# Altium PCB MODULE_2x1G_DUAL_MEDIA_V1.0.PcbDoc (part 1 of 3) (continued)
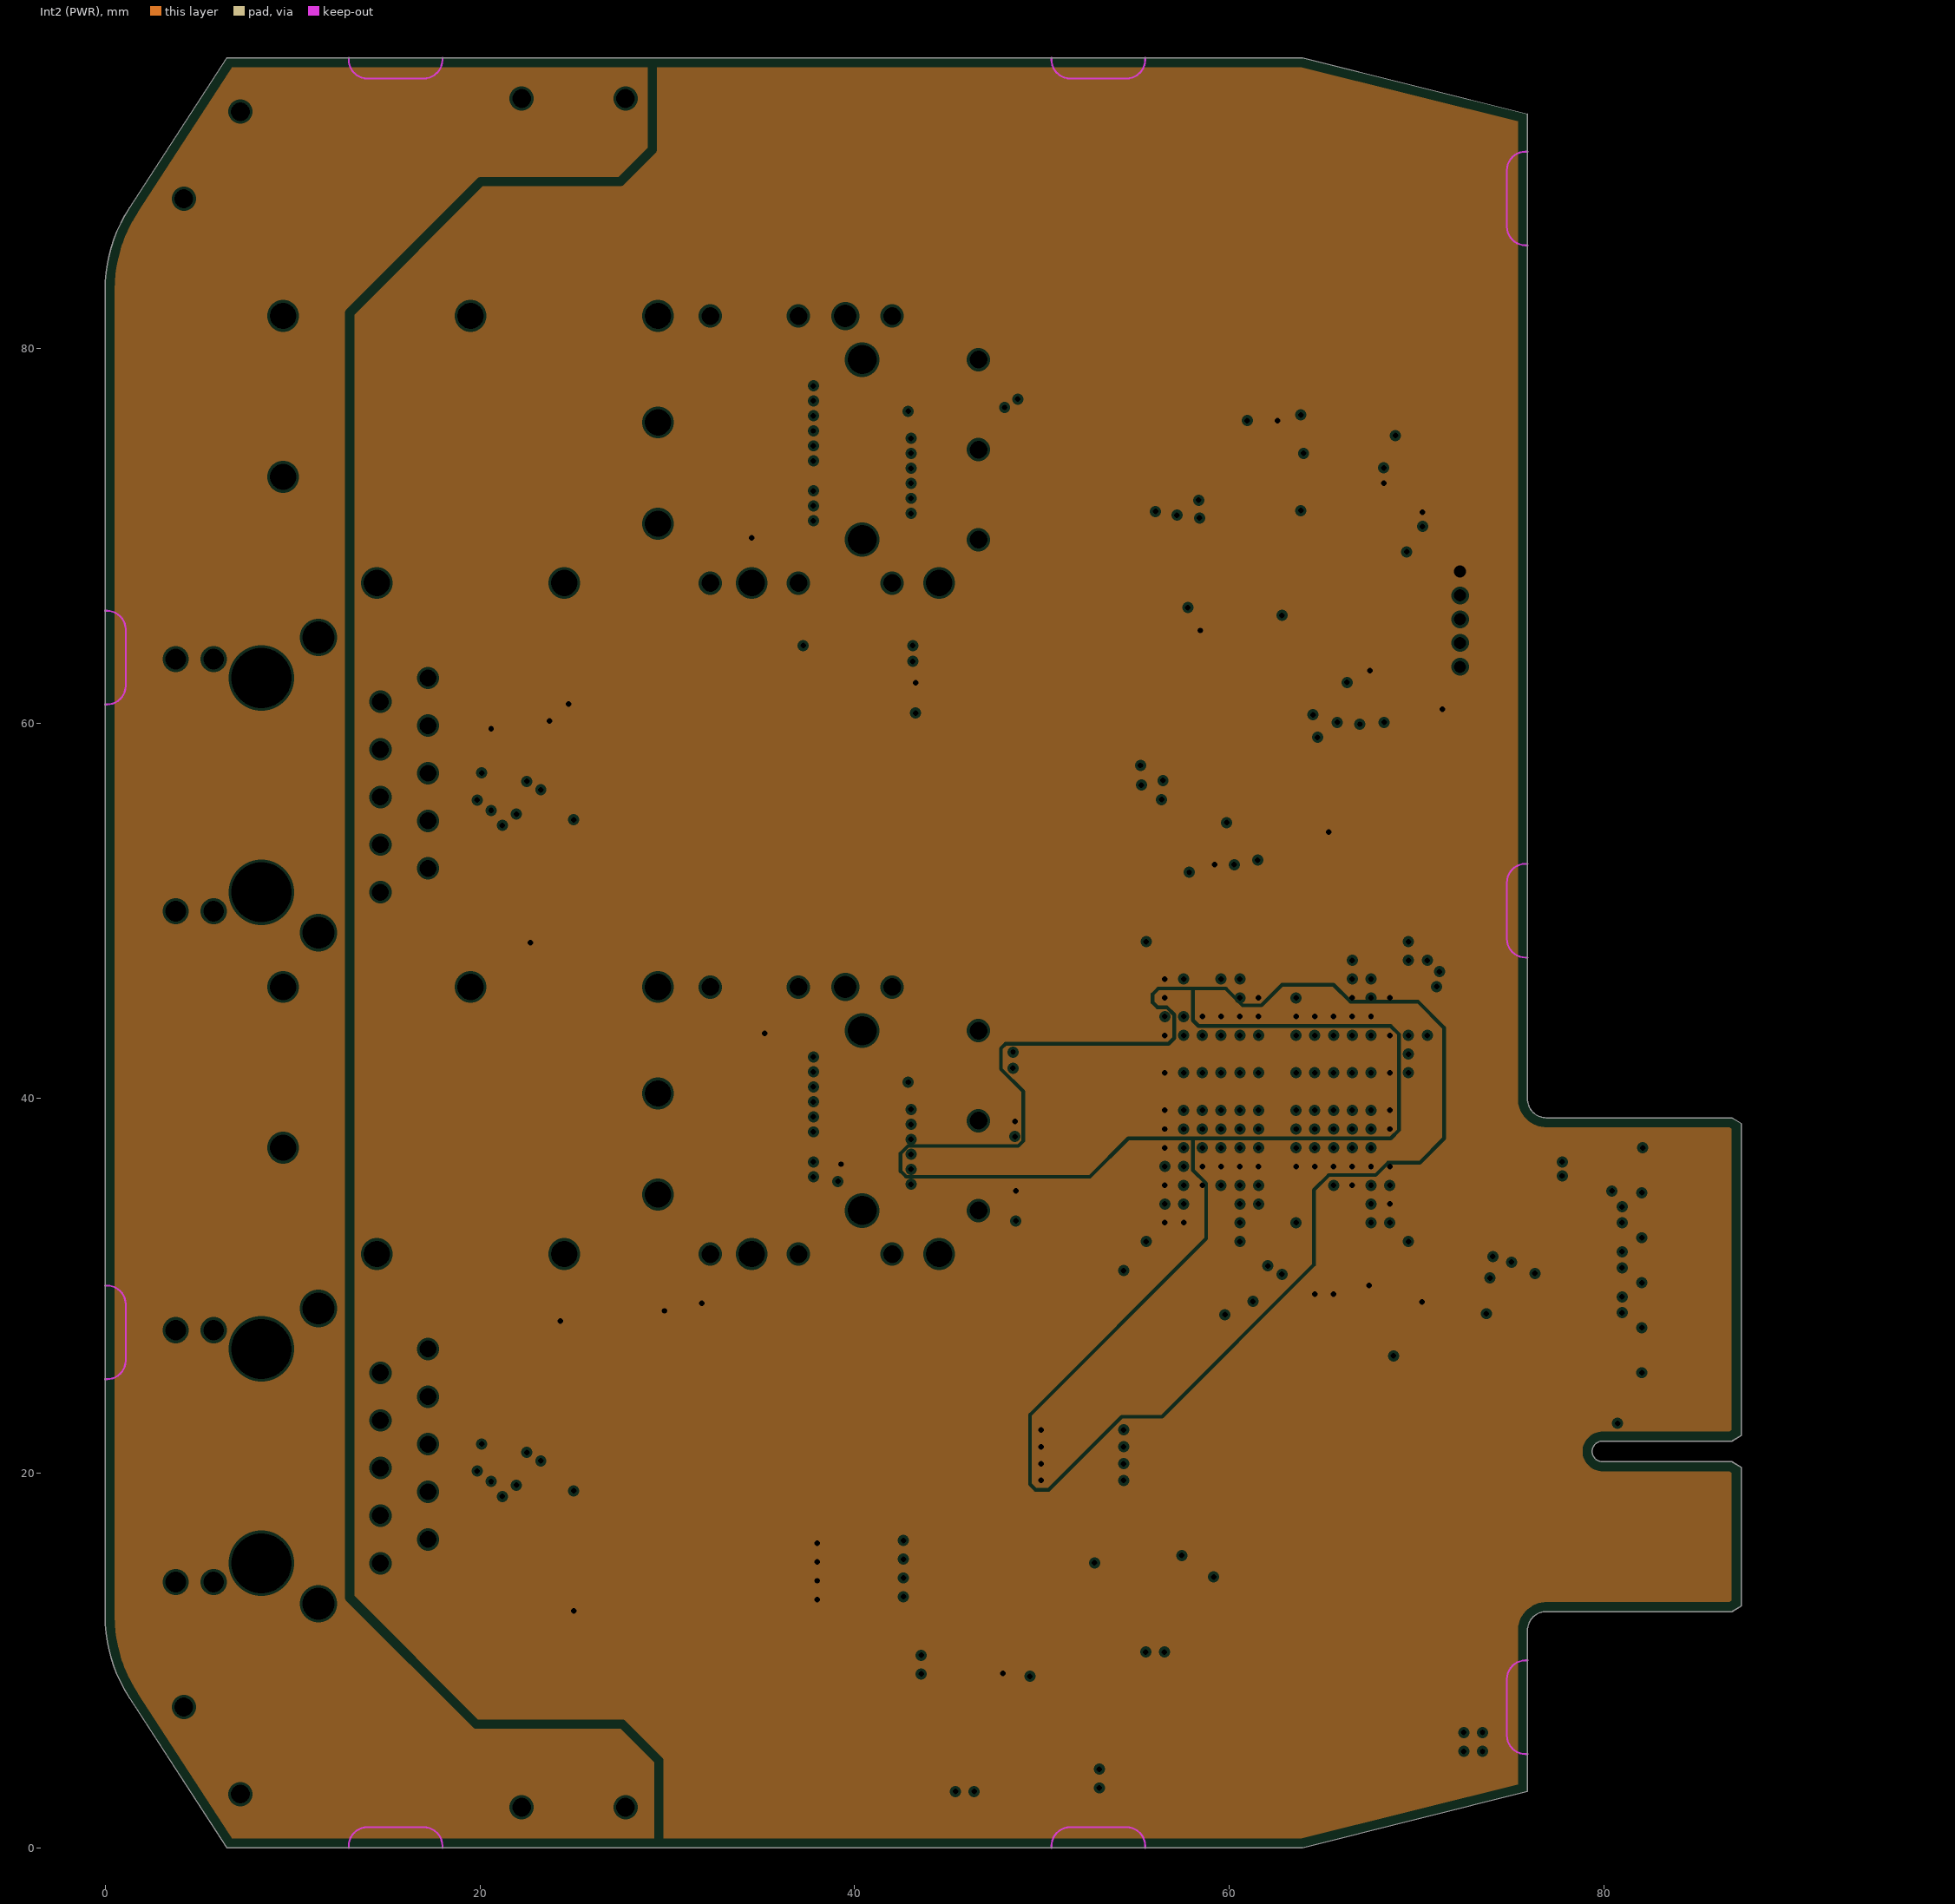
[diagram p3: Int2 (PWR), clearances drawn from the general rule]
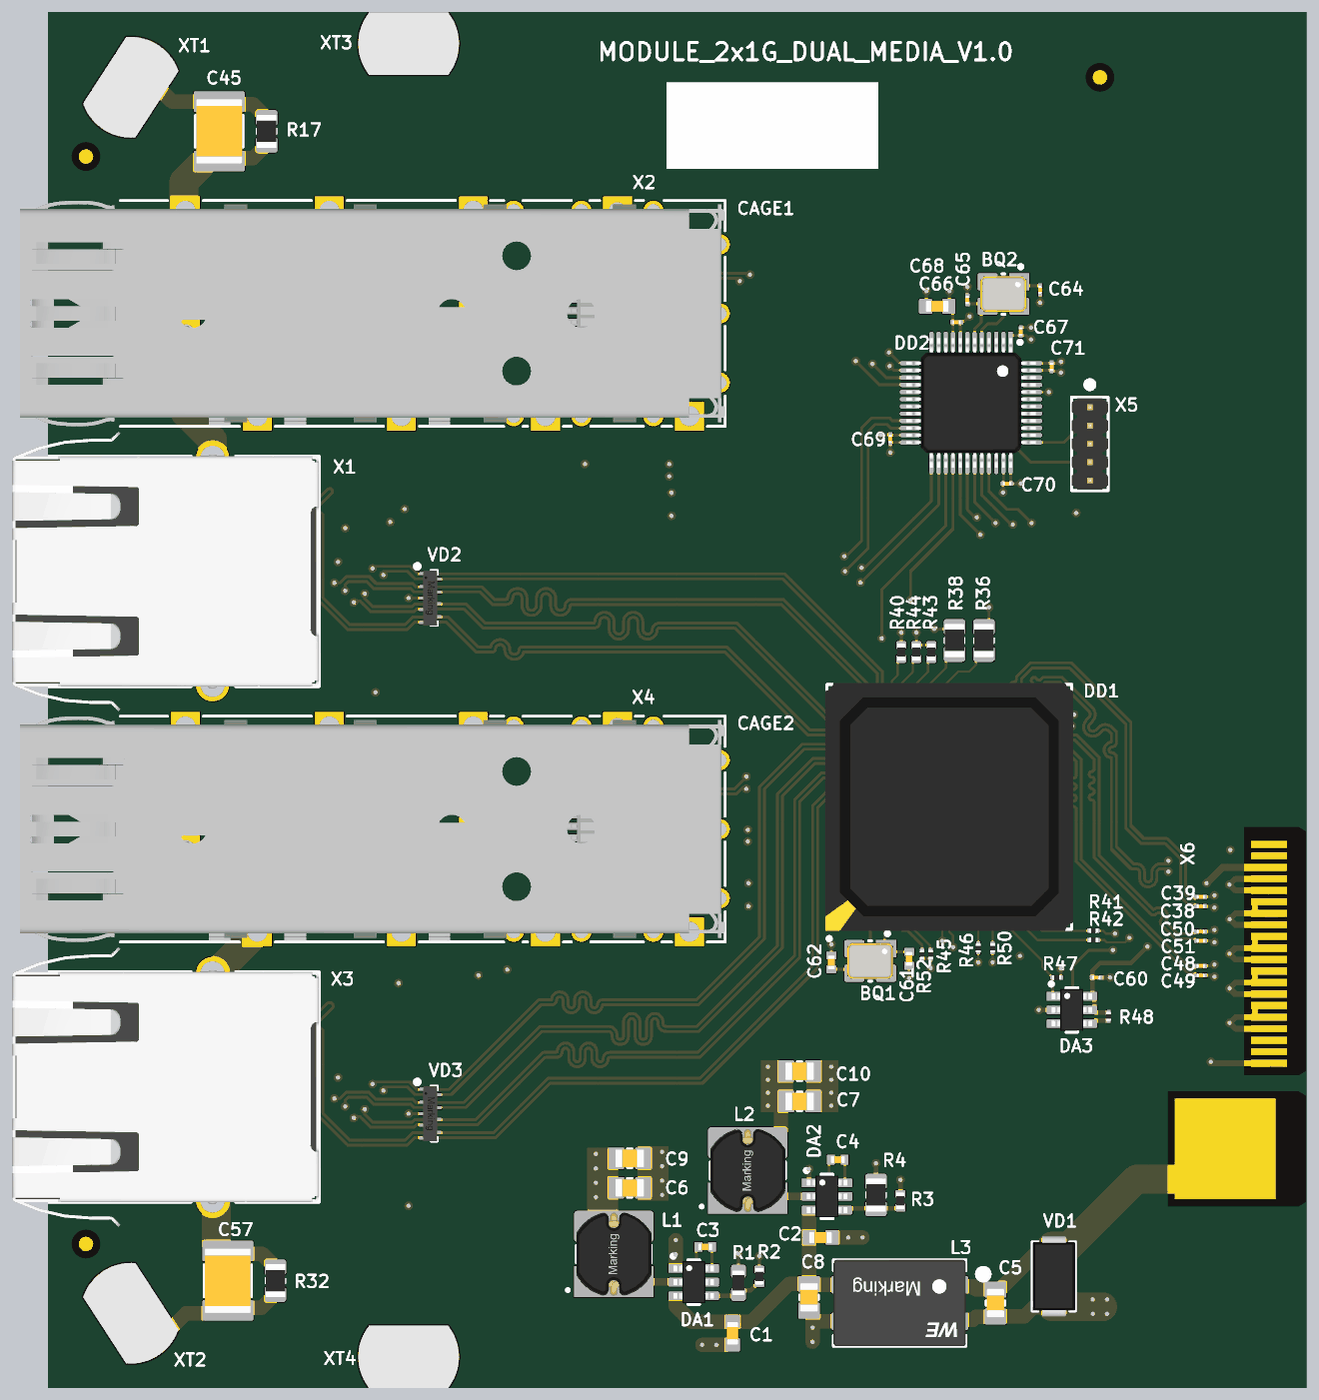
[diagram p6: 3D render of the assembled board from above, using the file's embedded part models]
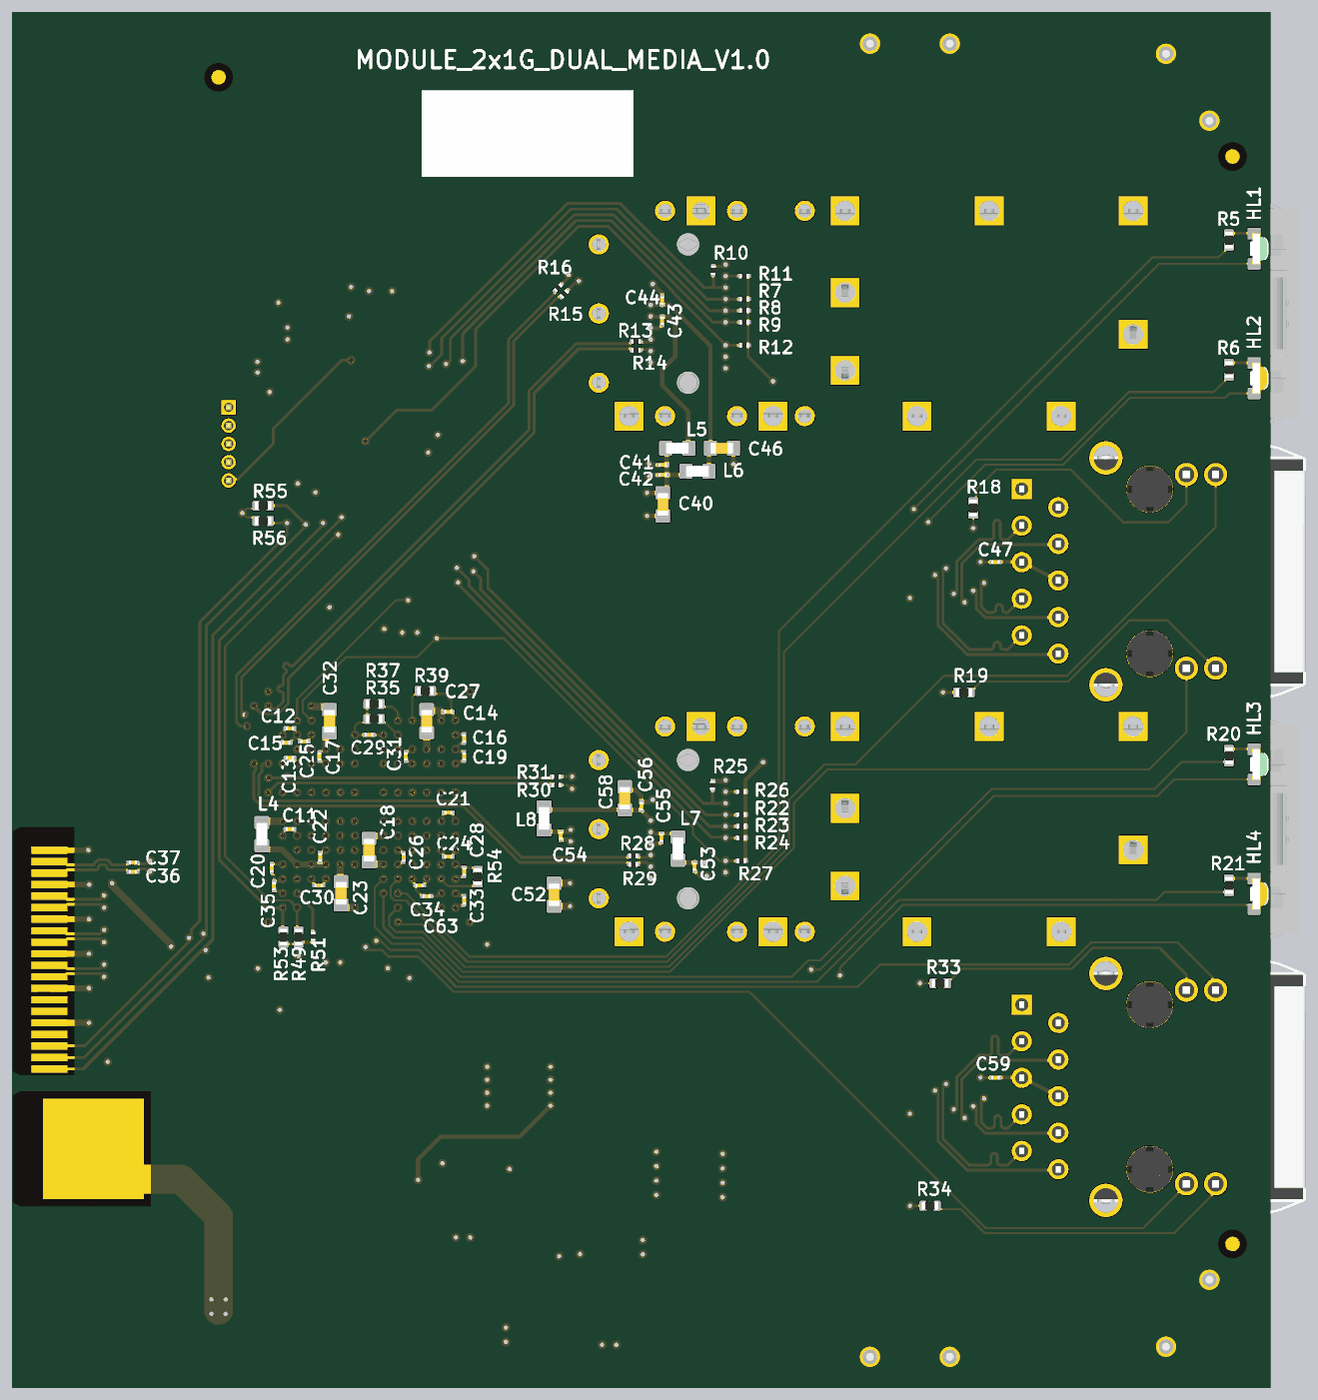
[diagram p7: 3D render of the assembled board from below, using the file's embedded part models]

## Layer stack, top to bottom
Top Solder: solder mask 0.0254, SM-001, Dk 4
Top Layer: signal copper 0.035
Dielectric 1: prepreg 0.1295, PP-017, Dk 4.3
Dielectric 2: prepreg 0.1295, PP-017, Dk 4.3
Int1 (GND): plane copper 0.035, net GND
Dielectric 3: core 0.7112, Core-039, Dk 4.8
Int2 (PWR): plane copper 0.035, net +3V3
Dielectric 4: prepreg 0.1295, PP-017, Dk 4.3
Dielectric 5: prepreg 0.1295, PP-017, Dk 4.3
Bottom Layer: signal copper 0.035
Bottom Solder: solder mask 0.0254, SM-001, Dk 4

## Board outline
6.5,0 1.291,8.022 cw(c8,12.379) 0,12.379 0,83.121 cw(c8,83.121) 1.291,87.478 6.5,95.5 63.9,95.5 75.9,92.5 75.9,39.95 ccw(c76.9,39.95) 76.9,38.95 86.8,38.95 87.3,38.65 87.3,22 86.8,21.7 79.9,21.7 ccw(c79.9,21.15) 79.9,20.6 86.8,20.6 87.3,20.3 87.3,12.9 86.8,12.6 76.9,12.6 ccw(c76.9,11.6) 75.9,11.6 75.9,3 63.9,0

## Design rules (kind name [scope] priority, off if disabled: settings)
BoardOutlineClearance BoardOutlineClearance_overlay [OnTopSilkscreen or OnBottomSilkscreen or IsKeepOut] p1: gap=0 ignorepadtopadclearanceinfootprint=FALSE
BoardOutlineClearance [All] p2: gap=0.5 ignorepadtopadclearanceinfootprint=FALSE except(0: Arc-SplitContinuation Track-SplitContinuation Poly-SplitContinuation Region-OutlineEdge Region-CavityEdge Region-CutoutEdge Region-SplitContinuation)
Clearance Clearance_Chassis [InNet('P0_SHIELD') or InNet('P1_SHIELD')] p1: gap=0 ignorepadtopadclearanceinfootprint=FALSE
Clearance [All] p2: gap=0.1 ignorepadtopadclearanceinfootprint=FALSE
ComponentClearance [All] p1: gap=0.2 collisioncheckmode=3 verticalgap=0.2 showdistances=FALSE
DiffPairsRouting [All] p1: maxlimit=0.3 minlimit=0.1 mostfreqgap=0.149 toplayer_minwidth=0.1 toplayer_maxwidth=0.5 toplayer_prefwidth=0.199 bottomlayer_minwidth=0.1 bottomlayer_maxwidth=0.5 bottomlayer_prefwidth=0.199 maxuncoupledlength=12.7
HoleSize [All] p1: absolutevalues=TRUE maxlimit=20 minlimit=0.2 maxpercent=80.000 minpercent=20.000
HoleToHoleClearance [All] p1: gap=0.25 allowstackedmicrovias=TRUE
MatchedLengths MatchLengths_xSignals_X2_DD4 [InxSignalClass('xSignals_X2_DD4_MatchLengthsClass')] p1: tolerance=0.5 checknetsindiffpair=FALSE checkdiffpairvsdiffpair=TRUE checkxsignals=TRUE checkothers=TRUE
MinimumAnnularRing [All] p1: minimumring=0.15
MinimumSolderMaskSliver [All] p1: minsoldermaskwidth=0.06
PlaneClearance [All] p1: clearance=0.15
PlaneConnect [All] p1: pad.planeconnectstyle=Relief pad.reliefexpansion=0.2 pad.reliefentries=4 pad.reliefconductorwidth=0.4 pad.reliefairgap=0.25 via.planeconnectstyle=Direct via.reliefexpansion=0.5 via.reliefentries=4 via.reliefconductorwidth=0.25 via.reliefairgap=0.25
PolygonConnect [All] p1: thpad.connectstyle=Relief thpad.reliefconductorwidth=0.25 thpad.reliefentries=4 thpad.polygonreliefangle="90 Angle" thpad.airgapwidth=0.25 smdpad.connectstyle=Relief smdpad.reliefconductorwidth=0.25 smdpad.reliefentries=4 smdpad.polygonreliefangle="90 Angle" smdpad.airgapwidth=0.25 via.connectstyle=Direct via.reliefconductorwidth=0.25 via.reliefentries=4 via.polygonreliefangle="90 Angle" via.airgapwidth=0.25
RoutingCorners [All] p1: cornerstyle=45-Degree minsetback=2 maxsetback=2
RoutingVias [All] p1: holewidth=0.25 width=0.55 viastyle="Through Hole" minholewidth=0.2 minwidth=0.5 maxholewidth=2 maxwidth=5
SilkToSilkClearance [All] p1: silktosilkclearance=0.1
SilkToSolderMaskClearance [IsPad] p1: minsilkscreentomaskgap=0.05 clearancetoexposedcopper=TRUE
SolderMaskExpansion [All] p1: expansion=0.07 istentingtop=FALSE
Width [All] p1: maxlimit=20 minlimit=0.1 preferedwidth=0.15
20 further rules are at their usual default settings.

## Classes and differential pairs
net class PHY1_Fx: PHY1_Fx_RX_N PHY1_Fx_RX_P PHY1_Fx_TX_N PHY1_Fx_TX_P
net class PHY0_Fx: PHY0_Fx_RX_N PHY0_Fx_RX_P PHY0_Fx_TX_N PHY0_Fx_TX_P
component class PORT1: C48 C49 C50 C51 C52 C53 C54 C55 C56 C57 C58 C59 CAGE2 HL3 HL4 L7 L8 R20 R21 R22 R23 R24 R25 R26 R27 R28 R29 R30 R31 R32 R33 R34 VD3 X3 X4
component class PORT0: C36 C37 C38 C39 C40 C41 C42 C43 C44 C45 C46 C47 CAGE1 DD1 HL1 HL2 L5 L6 R5 R6 R7 R8 R9 R10 R11 R12 R13 R14 R15 R16 R17 R18 R19 VD2 X1 X2
component class CONTROL: BQ1 BQ2 C60 C61 C62 C63 C64 C65 C66 C67 C68 C69 C70 C71 DA3 DD2 R35 R36 R37 R38 R39 R40 R41 R42 R43 R44 R45 R46 R47 R48 R49 R50 R51 R52 R53 R54 R55 R56 TP1 TP2 TP3 TP4 TP5 TP6 TP7 TP8 TP9 TP10 TP11 TP12 TP13 TP14 TP15 X5
component class CONNECTOR: C534 C535 TP16 TP17 TP18 TP19 TP20 TP21 TP22 TP23 TP24 TP25 TP26 TP27 X6 XT1 XT2 XT3 XT4
net class PHY1_TXRX: PHY1_TXRX_A_N PHY1_TXRX_A_P PHY1_TXRX_B_N PHY1_TXRX_B_P PHY1_TXRX_C_N PHY1_TXRX_C_P PHY1_TXRX_D_N PHY1_TXRX_D_P
net class PHY0_TXRX: PHY0_TXRX_A_N PHY0_TXRX_A_P PHY0_TXRX_B_N PHY0_TXRX_B_P PHY0_TXRX_C_N PHY0_TXRX_C_P PHY0_TXRX_D_N PHY0_TXRX_D_P
differential pair PORT1_SGMII_TX: +PORT1_SGMII_TX_P -PORT1_SGMII_TX_N
differential pair PORT1_SGMII_RX: +PORT1_SGMII_RX_P -PORT1_SGMII_RX_N
differential pair PORT0_SGMII_TX: +PORT0_SGMII_TX_P -PORT0_SGMII_TX_N
differential pair PORT0_SGMII_RX: +PORT0_SGMII_RX_P -PORT0_SGMII_RX_N
differential pair PHY1_TXRX_D: +PHY1_TXRX_D_P -PHY1_TXRX_D_N
differential pair PHY1_TXRX_C: +PHY1_TXRX_C_P -PHY1_TXRX_C_N
differential pair PHY1_TXRX_B: +PHY1_TXRX_B_P -PHY1_TXRX_B_N
differential pair PHY1_TXRX_A: +PHY1_TXRX_A_P -PHY1_TXRX_A_N
differential pair PHY1_Fx_TX: +PHY1_Fx_TX_P -PHY1_Fx_TX_N
differential pair PHY1_Fx_RX: +PHY1_Fx_RX_P -PHY1_Fx_RX_N
differential pair PHY0_TXRX_D: +PHY0_TXRX_D_P -PHY0_TXRX_D_N
differential pair PHY0_TXRX_C: +PHY0_TXRX_C_P -PHY0_TXRX_C_N
differential pair PHY0_TXRX_B: +PHY0_TXRX_B_P -PHY0_TXRX_B_N
differential pair PHY0_TXRX_A: +PHY0_TXRX_A_P -PHY0_TXRX_A_N
differential pair PHY0_Fx_TX: +PHY0_Fx_TX_P -PHY0_Fx_TX_N
differential pair PHY0_Fx_RX: +PHY0_Fx_RX_P -PHY0_Fx_RX_N
differential pair P1_SGMII_TX: +P1_SGMII_TX_P -P1_SGMII_TX_N
differential pair P1_SGMII_RX: +P1_SGMII_RX_P -P1_SGMII_RX_N
differential pair P0_SGMII_TX: +P0_SGMII_TX_P -P0_SGMII_TX_N
differential pair P0_SGMII_RX: +P0_SGMII_RX_P -P0_SGMII_RX_N

## Components (designator, comment, footprint, x,y, rotation, side; value= is the part's Value field where it differs from the comment)
1 "Comment" Fiducial 2.6,85.5 r0 top locked
2 "Comment" Fiducial 73,91 r0 top locked
3 "Comment" Fiducial 73,91 r180 bottom locked
4 "Comment" Fiducial 2.6,85.5 r180 bottom locked
5 "Comment" Fiducial 2.6,10 r180 bottom locked
BQ1 "25 MHz" "3225 Crystal" 57.05,29.65 r180 top
BQ2 "12 MHz" "3225 Crystal" 66.3,75.95 r180 top
C1 "10 мкФ" CAP0603(1608x08)N 47.5,3.8 r270 top
C2 "10 мкФ" CAP0603(1608x08)N 53.6,10.45 r0 top
C3 "0,1 мкФ" CAP0402(1005x05)N 45.6,9.8 r0 top
C4 "0,1 мкФ" CAP0402(1005x05)N 54.8,15.85 r0 top
C5 "0,1 мкФ" CAP0805(2012x125)N 65.75,5.9 r90 top
C6 "22 мкФ" CAP0805(2012x125)N 40.35,13.9 r0 top
C7 "22 мкФ" CAP0805(2012x125)N 52.15,19.9 r0 top
C8 "0,1 мкФ" CAP0805(2012x125)N 52.8,6.3 r90 top
C9 "22 мкФ" CAP0805(2012x125)N 40.35,15.95 r0 top
C10 "22 мкФ" CAP0805(2012x125)N 52.15,22 r0 top
C11 "0,1 мкФ" CAP0201(0603x03)N 68.05,38.8 r180 bottom
C12 "0,1 мкФ" CAP0201(0603x03)N 68.05,45.8 r180 bottom
C13 "0,1 мкФ" CAP0201(0603x03)N 68.05,43.75 r180 bottom
C14 "0,1 мкФ" CAP0201(0603x03)N 57.05,46.95 r180 bottom
C15 "0,1 мкФ" CAP0201(0603x03)N 68.3,44.8 r180 bottom
C16 "0,1 мкФ" CAP0201(0603x03)N 55.95,45.1 r270 bottom
C17 "0,1 мкФ" CAP0201(0603x03)N 66,43.85 r90 bottom
C18 "10 мкФ" CAP0603(1608x08)N 62.55,37.35 r270 bottom
C19 "0,1 мкФ" CAP0201(0603x03)N 55.95,43.85 r270 bottom
C20 "0,1 мкФ" CAP0201(0603x03)N 69.3,36.1 r270 bottom
C21 "0,1 мкФ" CAP0201(0603x03)N 57.05,39.95 r0 bottom
C22 "0,1 мкФ" CAP0201(0603x03)N 65.95,36.85 r270 bottom
C23 "10 мкФ" CAP0603(1608x08)N 64.5,34.35 r90 bottom
C24 "0,1 мкФ" CAP0201(0603x03)N 57.05,36.9 r180 bottom
C25 "0,1 мкФ" CAP0201(0603x03)N 67.05,44.9 r0 bottom
C26 "0,1 мкФ" CAP0201(0603x03)N 60.15,36.85 r270 bottom
C27 "10 мкФ" CAP0603(1608x08)N 58.55,46.3 r270 bottom
C28 "0,1 мкФ" CAP0201(0603x03)N 55.95,35.85 r270 bottom
C29 "0,1 мкФ" CAP0201(0603x03)N 62.55,45.35 r0 bottom
C30 "0,1 мкФ" CAP0201(0603x03)N 66.05,34.9 r180 bottom
C31 "0,1 мкФ" CAP0201(0603x03)N 60,43.85 r90 bottom
C32 "10 мкФ" CAP0603(1608x08)N 65.3,46.3 r270 bottom
C33 "0,1 мкФ" CAP0201(0603x03)N 55.95,33.85 r270 bottom
C34 "0,1 мкФ" CAP0201(0603x03)N 59.05,34.9 r0 bottom
C35 "0,1 мкФ" CAP0201(0603x03)N 69.15,34.85 r90 bottom
C36 "0,1 мкФ" CAP0201(0603x03)N 78.95,35.83 r180 bottom
C37 "0,1 мкФ" CAP0201(0603x03)N 78.95,36.48 r180 bottom
C38 "0,1 мкФ" CAP0201(0603x03)N 80,33.45 r180 top
C39 "0,1 мкФ" CAP0201(0603x03)N 80,34.1 r180 top
C40 "10 мкФ" CAP0603(1608x08)N 42.15,61.35 r90 bottom value="10,0 мкФ 0603"
C41 "0,1 мкФ" CAP0201(0603x03)N 42.15,64.1 r0 bottom
C42 "0,1 мкФ" CAP0201(0603x03)N 42.15,63.4 r0 bottom
C43 "0,1 мкФ" CAP0201(0603x03)N 42.2,74.1 r270 bottom
C44 "0,1 мкФ" CAP0201(0603x03)N 42.2,75.5 r90 bottom
C45 "2200 пФ 4 кВ" CAP1812(4532x25)N 11.85,87.25 r270 top
C46 "10 мкФ" CAP0603(1608x08)N 38.05,65.25 r0 bottom value="10,0 мкФ 0603"
C47 "0,1 мкФ" CAP0201(0603x03)N 19.05,57.35 r180 bottom
C48 "0,1 мкФ" CAP0201(0603x03)N 80,29.3 r180 top
C49 "0,1 мкФ" CAP0201(0603x03)N 80,28.65 r180 top
C50 "0,1 мкФ" CAP0201(0603x03)N 80,31.7 r180 top
C51 "0,1 мкФ" CAP0201(0603x03)N 80,31.05 r180 top
C52 "10 мкФ" CAP0603(1608x08)N 49.7,34.25 r90 bottom value="10,0 мкФ 0603"
C53 "0,1 мкФ" CAP0201(0603x03)N 39.95,36.2 r270 bottom
C54 "0,1 мкФ" CAP0201(0603x03)N 49.25,38.35 r270 bottom
C55 "0,1 мкФ" CAP0201(0603x03)N 42.25,38.2 r270 bottom
C56 "0,1 мкФ" CAP0201(0603x03)N 43.65,40.4 r90 bottom
C57 "2200 пФ 4 кВ" CAP1812(4532x25)N 12.45,7.45 r90 top
C58 "10 мкФ" CAP0603(1608x08)N 44.8,40.95 r270 bottom value="10,0 мкФ 0603"
C59 "0,1 мкФ" CAP0201(0603x03)N 19.05,21.55 r180 bottom
C60 "0,1 мкФ" CAP0201(0603x03)N 72.75,28.5 r0 top
C61 "33 пФ" CAP0402(1005x05)N 59.75,29.8 r90 top
C62 "33 пФ" CAP0402(1005x05)N 54.35,29.55 r270 top
C63 "1 мкФ" CAP0201(0603x03)N 58.55,34.15 r0 bottom
C64 "22 пФ" CAP0201(0603x03)N 68.85,76.25 r90 top
C65 "22 пФ" CAP0201(0603x03)N 63.8,75.55 r270 top
C66 "0,1 мкФ" CAP0201(0603x03)N 63.05,74 r0 top
C67 "0,1 мкФ" CAP0201(0603x03)N 67.5,73.35 r90 top
C68 "10 мкФ" CAP0603(1608x08)N 61.7,75.1 r0 top value="10,0 мкФ 0603"
C69 "0,1 мкФ" CAP0201(0603x03)N 58.45,65.9 r90 top
C70 "0,1 мкФ" CAP0201(0603x03)N 66.55,62.8 r180 top
C71 "0,1 мкФ" CAP0201(0603x03)N 69.65,70.9 r270 top
CAGE1 "2227302-1" "SFP-CAGE (MOLEX 74737-0010, TE 2227302-1)-LargeMountingHoles" 40.4,74.6 r270 top locked
CAGE2 "2227302-1" "SFP-CAGE (MOLEX 74737-0010, TE 2227302-1)-LargeMountingHoles" 40.4,38.8 r270 top locked
DA1 "TPS563209DDC" SOT23-6 44.8,7.35 r0 top
DA2 "TPS563209DDC" SOT23-6 54.05,13.3 r0 top
DA3 "TPS3808G25DBV" SOT23-6 71.05,26.25 r0 top
DD1 "VSC8662XIC-03" "PBGA-256 (17x17x2)" 62.55,40.35 r90 top locked
DD2 "STM32F070CBT6" LQFP-48 64.05,68.4 r270 top locked
HL1 "KPA-2106CGCK (зелёный)" 2110x0,6-SMD-LED-GN 1.1,79.1 r270 bottom locked
HL2 "KPA-2106SECK (оранжевый)" 2110x0,6-SMD-LED-ORANGE 1.1,70.1 r270 bottom locked
HL3 "KPA-2106CGCK (зелёный)" 2110x0,6-SMD-LED-GN 1.1,43.3 r270 bottom locked
HL4 "KPA-2106SECK (оранжевый)" 2110x0,6-SMD-LED-ORANGE 1.1,34.3 r270 bottom locked
L1 "3,3 мкГн" WE-PD2-5848 39.25,9.3 r90 top
L2 "3,3 мкГн" WE-PD2-5848 48.55,15.1 r90 top
L3 "WE-SL2 744226" WE-SL2 59.1,5.9 r180 top
L4 "SB01-160808121P" IND0603N 70,38.45 r90 bottom
L5 "SB01-160808121P" IND0603N 41.15,65.25 r180 bottom
L6 "SB01-160808121P" IND0603N 39.75,63.65 r180 bottom
L7 "SB01-160808121P" IND0603N 41.1,37.45 r90 bottom
L8 "SB01-160808121P" IND0603N 50.4,39.55 r90 bottom
R1 "33К2 1%" RES0603N 47.9,7.3 r90 top
R2 "10К 1%" RES0402N 49.35,7.75 r90 top
R3 "1К87 1%" RES0402N 59.15,13 r90 top
R4 "3К3 1%" RES0805N 57.45,13.4 r90 top
R5 "330" RES0402N 2.85,79.7 r90 bottom
R6 "330" RES0402N 2.85,70.7 r90 bottom
R7 "4K7" RES0201N 36.5,75.6 r180 bottom
R8 "4K7" RES0201N 36.5,74.8 r180 bottom
R9 "10К" RES0201N 36.5,74 r180 bottom
R10 "0" RES0201N 38.65,77.6 r90 bottom
R11 "10К" RES0201N 36.5,77.2 r180 bottom
R12 "10К" RES0201N 36.5,72.4 r180 bottom
R13 "0" RES0201N 44.02,72.65 r180 bottom
R14 "0" RES0201N 44.02,72.05 r180 bottom
R15 "0" RES0201N 49.003,75.968 r135 bottom
R16 "0" RES0201N 49.427,76.392 r135 bottom
R17 "9M1" RES0805N 15.15,87.25 r270 top
R18 "330" RES0402N 20.6,61.1 r90 bottom